# Altium PCB PCB_RF.PcbDoc (part 2 of 2) (continued)
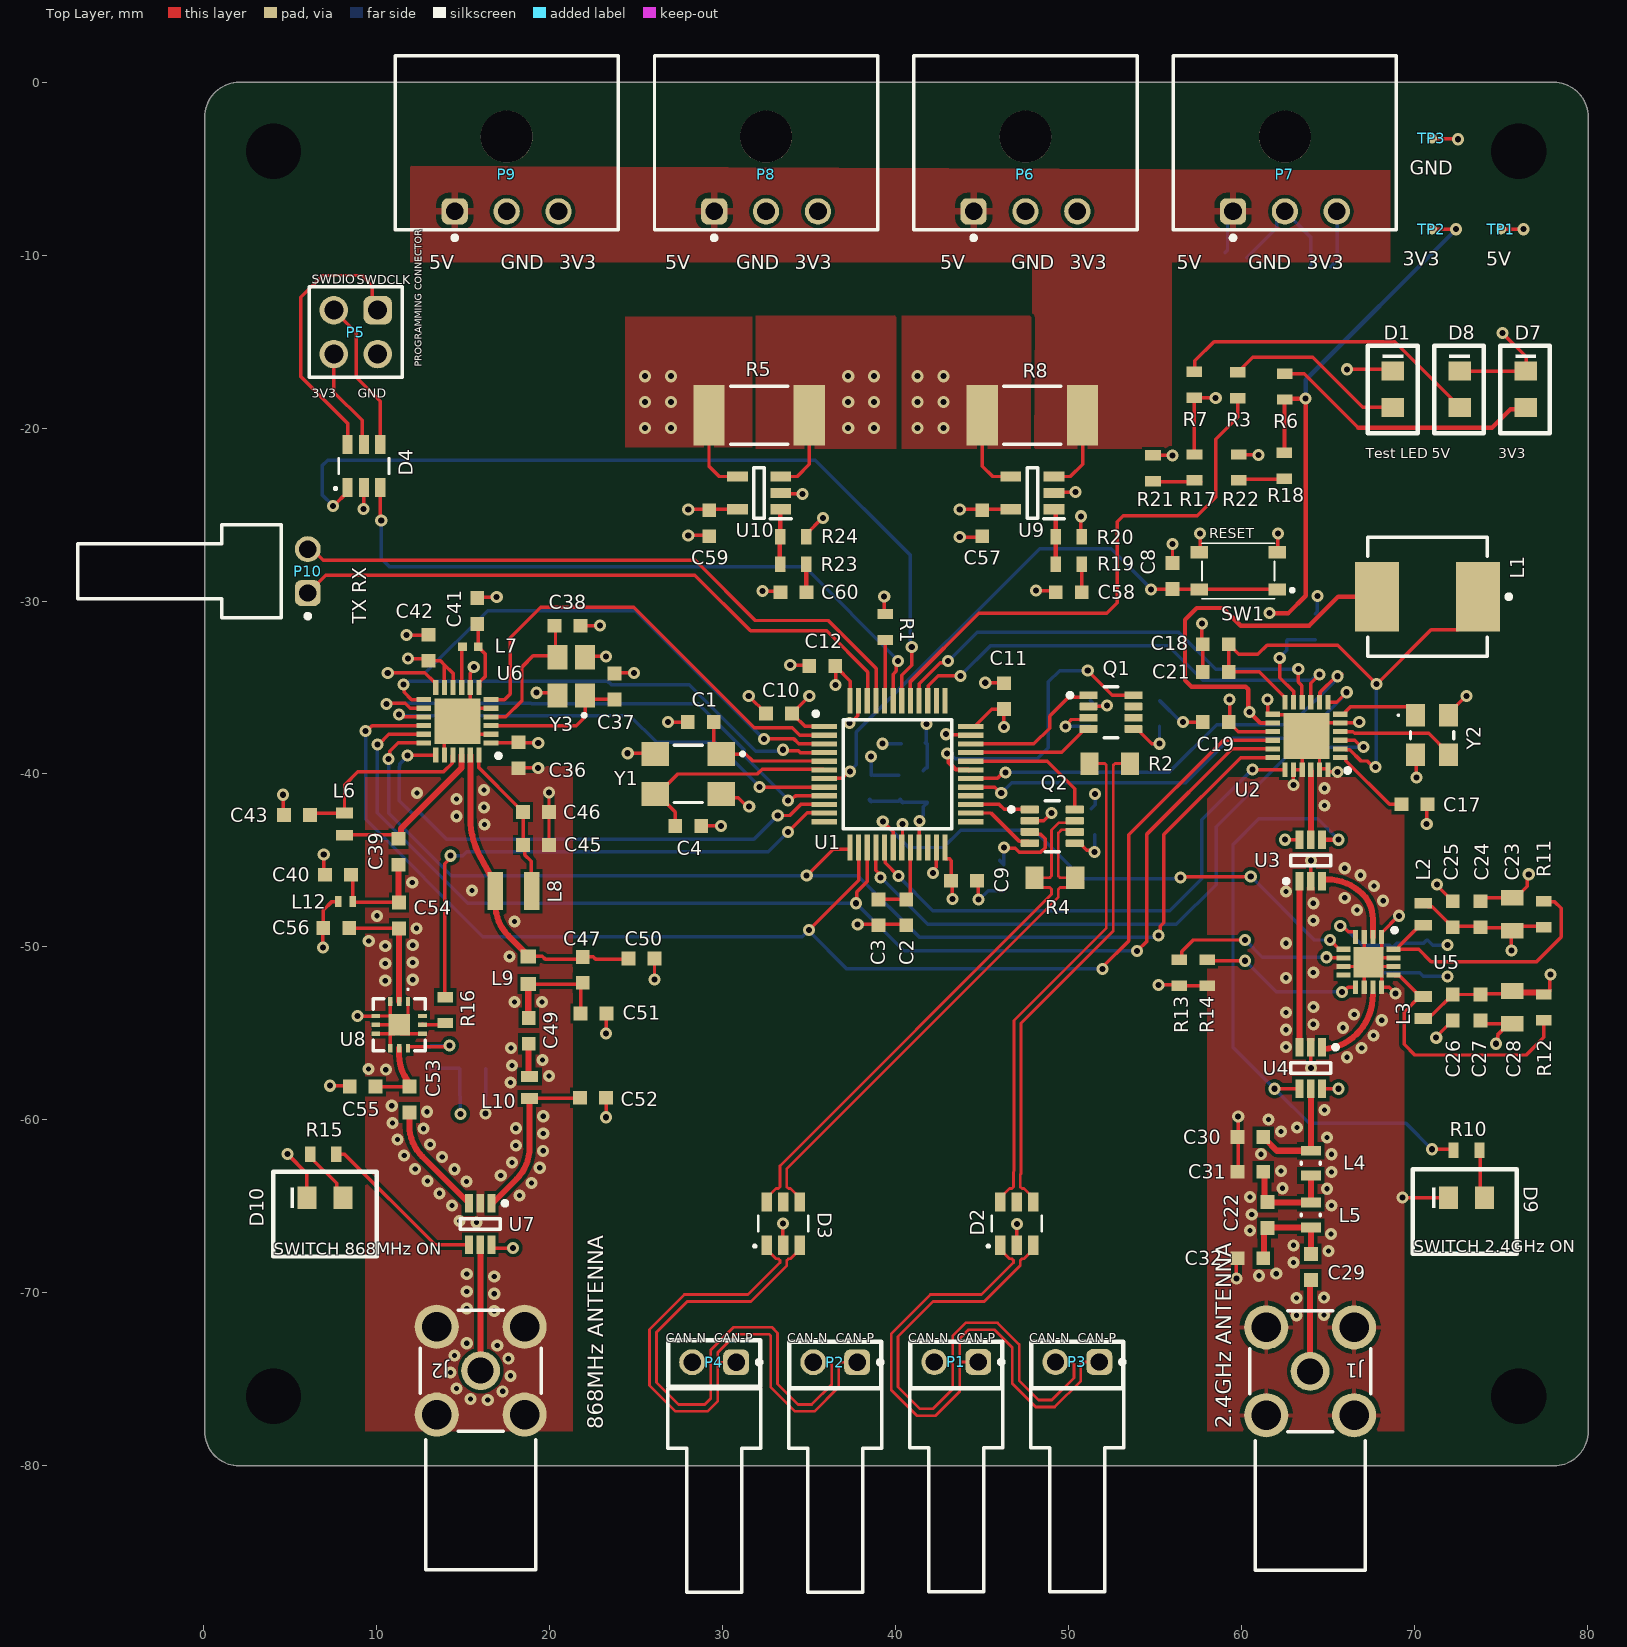
[diagram p0: Top Layer view]
## Nets (pads, with @x,y where several pads share a name; then routed paths per layer and width w, separated by ;. In a path a pad name is that pad's centre, name@x,y a point inside that pad or via, vN(x,y) a via of type N, cw(c..) or ccw(c..) an arc to the next point about the centre after c; other vN are vias at no path point) (continued)
MISO: U1.14 U2.16 U6.16 | length 79.9
  Top Layer w0.2: v1(9.35,-37.525) 9.392,-37.525 9.717,-37.2 U6.16@12.7,-37.2 ; v1(34.975,-49.025) 37.85,-46.15 U1.14@37.85,-44.35 ; v1(51.95,-51.275) 51.95,-51.183 53.477,-49.656 53.477,-43.523 58.95,-38.05 U2.16@61.8,-38.05
  Bottom Layer w0.2: v1(9.35,-37.525) 9.35,-42.625 16.125,-49.4 34.6,-49.4 v1(34.975,-49.025) 34.975,-49.075 37.175,-51.275 v1(51.95,-51.275)
MOSI: U1.15 U2.17 U6.17 | length 73.5
  Top Layer w0.2: v1(10.025,-38.3) 10.092,-38.3 10.692,-37.7 U6.17@12.7,-37.7 ; v1(37.7,-47.475) 37.741,-47.434 37.741,-46.825 38.35,-46.216 U1.15@38.35,-44.625 ; v1(53.95,-50.225) 53.964,-50.225 54.5,-49.689 54.5,-43.5 59.45,-38.55 U2.17@61.8,-38.55
  Bottom Layer w0.2: v1(10.025,-38.3) 10.025,-42.25 15.25,-47.475 v1(37.7,-47.475) 40.45,-50.225 v1(53.95,-50.225)
"Net D10_2": D10.2 R15.2 | length 3.3
  Top Layer w0.2: R15.2@6.15,-62 6.15,-62.15 7.667,-63.667 7.667,-64.117 D10.2@8.05,-64.5
NetC2_2: C2.2 C3.2 U1.20 | length 4.8
  Top Layer w0.2: C3.2@38.9,-47.2 38.95,-47.25 C2.2@40.604,-47.25 40.85,-47.004 U1.20@40.85,-44.251
NetC17_2: C17.2 U2.1 | length 4.8
  Top Layer w0.2: U2.1@65.7,-39 65.925,-39 66.025,-39.1 66.025,-39.225 68.55,-41.75 C17.2@69.25,-41.75
NetC18_2: C18.2 C21.2 L1.1 U2.2 U2.12 | length 30.9
  Top Layer w0.2: C21.2@59.25,-34.104 C18.2@59.25,-32.5 59.833,-33.083 60.935,-33.083 61.467,-32.55 65.55,-32.55 v1(67.8,-34.8) 70.95,-31.65 72.5,-31.65 73.675,-30.475 L1.1@73.675,-29.75 ; C21.2@59.5,-34.1 61.025,-34.1 62.5,-35.575 U2.12@62.5,-35.85 ; U2.2@66,-38.529 66,-38.575 66.025,-38.6 66.249,-38.6 66.899,-39.25 67.265,-39.25 67.615,-39.6 v1(67.75,-39.6)
  Bottom Layer w0.2: v1(67.75,-39.6) 67.775,-39.575 67.775,-34.825 v1(67.8,-34.8)
NetC22_1: C22.1 C31.2 L4.2 L5.1 | length 5.7
  Top Layer w0.243: C22.1@61.3,-64.7 C22.1@61.385,-64.785 ; L4.2@64,-63.378 64.078,-63.3 L4.2@64.1,-63.3
  Top Layer w0.35: C22.1@61.321,-64.571 C31.2@61.321,-63.1 ; C22.1@61.385,-64.785 L5.1@64,-64.785 L4.2@64,-63.378
NetC22_2: C22.2 C29.1 C32.2 L5.2 | length 5.8
  Top Layer w0.243: C22.2@61.3,-66.45 C22.2@61.5,-66.25
  Top Layer w0.35: C32.2@61.3,-68 C22.2@61.3,-66.45 ; C22.2@61.615,-66.215 L5.2@64,-66.215 C29.1@64,-67.75
NetC37_2: C37.2 U6.3 Y3.1 | length 8.6
  Top Layer w0.2: U6.3@16.6,-37.2 21.525,-37.2 22.034,-36.691 Y3.1@22.034,-35.456 Y3.1@22.225,-35.647 ; Y3.1@22.263,-35.685 C37.2@23.675,-35.685
NetC38_2: C38.2 U6.4 Y3.3 | length 8.2
  Top Layer w0.2: U6.4@16.575,-36.7 U6.4@16.6,-36.7 ; U6.4@16.65,-36.65 U6.4@16.6,-36.7 ; Y3.3@20.325,-33.147 C38.2@20.325,-31.425 ; Y3.3@20.4,-33.175 19.025,-33.175 18.387,-33.812 18.387,-35.762 17.45,-36.7 U6.4@16.6,-36.7
NetC39_1: C39.1 L6.2 U6.22 | length 9.6
  Top Layer w0.2: L6.2@8.125,-43.525 11.028,-43.525 C39.1@11.25,-43.747 C39.1@11.385,-43.612
  Top Layer w0.35: C39.1@11.385,-43.612 11.385,-43.165 14.9,-39.65 U6.22@14.9,-38.9
NetC41_2: C41.2 L7.1 U6.7 | length 4
  Top Layer w0.2: C41.2@15.725,-31.3 15.85,-31.425 L7.1@15.85,-32.65 ; L7.1@15.825,-32.8 16,-32.8 16.25,-33.05 16.25,-34.375 15.95,-34.675 15.95,-34.95 U6.7@15.9,-35
NetC43_2: C43.2 L6.1 U6.21 | length 10.9
  Top Layer w0.2: C43.2@6.15,-42.4 6.287,-42.262 L6.1@8.125,-42.262 8.125,-40.643 8.89,-39.878 13.851,-39.878 14.35,-39.379 14.35,-38.95 U6.21@14.4,-38.9
NetC47_2: C47.2 C49.1 C51.2 L9.2 | length 6.8
  Top Layer w0.2: L9.2@18.75,-52.15 C47.2@21.825,-52.15 ; C51.2@21.775,-53.85 C47.2@21.775,-52.2
  Top Layer w0.243: C49.1@18.75,-54.025 C49.1@18.8,-54.075 ; C47.2@21.775,-52.2 C47.2@21.9,-52.075
  Top Layer w0.35: C49.1@18.75,-54.025 L9.2@18.75,-52.15
NetC49_2: C49.2 L10.1 | length 1.8
  Top Layer w0.35: L10.1@18.775,-57.425 C49.2@18.775,-55.6
NetC53_1: C53.1 C55.2 U8.8 | length 4.4
  Top Layer w0.2: C55.2@9.85,-57.975 9.95,-58.075 C53.1@11.875,-58.075 ; U8.8@11.285,-55.86 U8.8@11.3,-55.875
  Top Layer w0.35: U8.8@11.285,-55.86 11.285,-56.274 ccw(c13.726,-56.274) C53.1@12,-58
NetC54_1: C54.1 C56.2 U8.2 | length 7
  Top Layer w0.2: C56.2@8.5,-48.825 8.6,-48.925 C54.1@11.275,-48.925
  Top Layer w0.35: U8.2@11.275,-53.14 C54.1@11.275,-48.925
NetD1_2: D1.2 R3.1 | length 10.5
  Top Layer w0.2: R3.1@59.775,-16.775 60.65,-15.9 64.1,-15.9 67,-18.8 D1.2@68.75,-18.8
NetD4_4: D4.4 P5.3 | length 8.8
  Top Layer w0.2: P5.3@7.62,-13.208 7.62,-13.295 8.81,-14.485 8.81,-17.064 10.2,-18.454 D4.4@10.2,-20.945
NetD4_6: D4.6 P5.1 | length 15.8
  Top Layer w0.2: D4.6@8.3,-20.945 8.3,-19.73 5.588,-17.018 5.588,-12.446 6.858,-11.176 9.144,-11.176 9.733,-11.765 9.733,-12.781 P5.1@9.906,-12.954
NetD7_2: D7.2 R6.1 | length 15.6
  Top Layer w0.2: R6.1@62.5,-16.85 63.625,-16.85 66.75,-19.975
  Top Layer w0.254: 66.75,-19.975 74.475,-19.975 75.543,-18.907 76.218,-18.907 D7.2@76.325,-18.8
NetD8_2: D8.2 R7.1 | length 18.3
  Top Layer w0.2: R7.1@57.1,-16.8 57.283,-16.617 57.283,-16.117 58.4,-15 68.85,-15 72.65,-18.8 D8.2@72.75,-18.8
NetD9_2: D9.2 R10.2 | length 3
  Top Layer w0.2: R10.2@73.8,-61.6 73.8,-64.25 D9.2@74.05,-64.5
NetL1_2: L1.2 U2.14 | length 22.8
  Top Layer w0.254: v1@60.375,-36.4 60.375,-35.099 60.226,-34.95 57.1,-34.95 56.725,-34.575 56.725,-31.075 57.4,-30.4 58.925,-30.4 59.95,-31.425 63.9,-31.425 65.575,-29.75 L1.2@67.825,-29.75 ; v1(60.45,-36.425) 61.075,-37.05 U2.14@61.8,-37.05
NetL2_1: L2.1 R11.1 U5.16 | length 15.3
  Top Layer w0.2: U5.16@68.789,-50.132 U5.16@68.9,-50.132 ; U5.16@68.9,-50.1 69.07,-50.1 69.089,-50.082 69.089,-49.975 70.312,-48.751 L2.1@70.5,-48.751 ; U5.16@69.089,-50.132 70.232,-50.132 70.95,-50.85 77.05,-50.85 78.475,-49.425 78.475,-47.775 78.1,-47.4 R11.1@77.6,-47.4
NetL3_1: L3.1 R12.1 U5.13 | length 15.1
  Top Layer w0.2: U5.13@68.8,-51.6 68.882,-51.682 69.132,-51.682 L3.1@70.312,-52.862 ; L3.1@70.5,-52.862 L3.1@70.312,-52.862 ; R12.1@77.467,-54.25 77.467,-55.233 76.45,-56.25 70.016,-56.25 69.4,-55.634 69.4,-53.775 L3.1@70.312,-52.862
NetL7_2: L7.2 U6.9 | length 2.4
  Top Layer w0.2: U6.9@14.9,-35 14.9,-32.7 L7.2@14.95,-32.65
NetL11_2: L11.2 U8.9 | length 3.7
  Top Layer w0.2: U8.9@11.795,-55.86 11.795,-55.805 11.82,-55.78 14.17,-55.78 v1@14.25,-55.7
  Bottom Layer w0.2: L11.2@13.05,-55.8 13.15,-55.7 v1(14.2,-55.7)
NetR13_2: R13.2 U5.6 | length 10.5
  Top Layer w0.2: R13.2@56.4,-50.6 56.483,-50.6 56.533,-50.55 56.533,-50.267 57.2,-49.6 v1(60.2,-49.6) ; v1(64.9,-50.6) 64.916,-50.616 65.873,-50.616 U5.6@65.889,-50.632
  Bottom Layer w0.2: v1(60.2,-49.6) 61.2,-50.6 v1(64.9,-50.6)
NetR14_2: R14.2 U5.9 | length 9.3
  Top Layer w0.2: R14.2@58.1,-50.8 v1(60.2,-50.8) ; v1(65.8,-52.6) 65.88,-52.6 66.148,-52.332 U5.9@66.589,-52.332
  Bottom Layer w0.2: v1(60.2,-50.8) 62,-52.6 v1(65.8,-52.6)
NetR16_1: R16.1 U8.11 | length 1.3
  Top Layer w0.2: U8.11@12.644,-54.501 R16.1@13.748,-54.501
  Top Layer w0.243: U8.11@12.64,-54.505 U8.11@12.644,-54.501 ; R16.1@13.748,-54.501 R16.1@13.9,-54.35
NetR19_2: R19.2 R20.2 U9.1 | length 3.2
  Top Layer w0.254: R19.2@49.25,-27.884 R20.2@49.25,-26.279 49.25,-24.75 U9.1@49.3,-24.7
NetR23_2: R23.2 R24.2 U10.1 | length 2.7
  Top Layer w0.254: R23.2@33.3,-27.5 33.3,-26.31 R24.2@33.33,-26.279 ; U10.1@33.35,-24.7 33.33,-24.72 33.33,-26.03 R24.2@33.4,-26.1
NetU2_4: U2.4 Y2.3 | length 6.7
  Top Layer w0.2: U2.4@65.9,-37.5 65.95,-37.55 66.431,-37.55 66.531,-37.65 70.813,-37.65 71.963,-38.8 Y2.3@71.963,-38.9
NetU2_6: U2.6 Y2.1 | length 4.7
  Top Layer w0.2: U2.6@65.8,-36.6 66.3,-36.1 69.612,-36.1 70.063,-36.55 Y2.1@70.063,-36.6
NetU3_1: U3.1 U4.3 | length 9.4
  Top Layer w0.35: U4.3@63.35,-55.8 U3.1@63.35,-46.449
NRST: C8.2 SW1.1 U1.7 | length 34
  Top Layer w0.2: U1.7@35.862,-40.263 35.868,-40.256 36.899,-40.256 37.306,-39.85 v1(37.35,-39.85) ; v1(54.75,-29.325) 55.975,-29.325 C8.2@56,-29.3 ; C8.2@56,-29 56.329,-29.329 SW1.1@57.4,-29.329 ; SW1.1@57.4,-29.3 57.429,-29.329 SW1.1@57.555,-29.329 SW1.1@62.055,-29.329
  Bottom Layer w0.2: v1(37.35,-39.85) 37.725,-39.475 37.725,-37.575 48.325,-26.975 52.45,-26.975 v1@54.789,-29.314
OSC_IN: C1.1 U1.5 Y1.1 | length 7.7
  Top Layer w0.2: C1.1@29.475,-36.926 29.475,-38.425 Y1.1@29.9,-38.85 31.325,-38.85 31.725,-39.25 U1.5@35.35,-39.25
OSC_OUT: C4.1 U1.6 Y1.3 | length 12.5
  Top Layer w0.2: Y1.3@26.1,-41.15 26.25,-41.15 26.25,-41.1 26.773,-40.577 26.823,-40.577 27.4,-40 32,-40 32.273,-39.727 35.16,-39.727 U1.6@35.8,-39.727 ; Y1.3@26.25,-41.2 27.25,-42.2 C4.1@27.25,-43
SCK: U1.13 U2.18 U6.18 | length 70.6
  Top Layer w0.2: v1(10.675,-39.125) 10.747,-39.053 10.747,-38.678 11.225,-38.2 U6.18@12.7,-38.2 ; v1(34.85,-45.875) 36.375,-44.35 U1.13@37.35,-44.35 ; v1(55.2,-49.35) 55.296,-49.254 55.296,-48.804 55.5,-48.6 55.5,-43.5 59.95,-39.05 U2.18@61.8,-39.05
  Bottom Layer w0.2: v1(10.675,-39.125) 10.675,-42.264 14.286,-45.875 37.8,-45.875 41.371,-49.446 55.104,-49.446 v1(55.2,-49.35)
SWCLK: D4.3 U1.43 | length 39.2
  Top Layer w0.2: D4.3@10.181,-23.159 10.181,-25.281 v1(10.25,-25.35) ; U1.43@39.85,-35.775 39.85,-34.225 40.029,-34.046 40.029,-33.571 v1(40.125,-33.475)
  Bottom Layer w0.2: v1(10.25,-25.35) 10.25,-27.55 10.725,-28.025 34.729,-28.025 40.125,-33.421 v1(40.125,-33.475)
SWDIO: D4.1 U1.42 | length 49
  Top Layer w0.2: v1(7.464,-24.494) 7.501,-24.494 8.3,-23.695 D4.1@8.3,-23.445 ; U1.42@40.35,-35.6 40.35,-34.291 40.925,-33.716 v1(40.925,-32.65)
  Bottom Layer w0.2: v1(7.464,-24.494) 6.825,-23.855 6.825,-22.175 7.15,-21.85 35.35,-21.85 40.85,-27.35 40.85,-32.575 v1(40.925,-32.65)
SX1262_ANTENNA: J2.1 U7.5 | length 7.3
  Top Layer w0.243: U7.5@15.975,-67.225 U7.5@15.987,-67.237 ; J2.1@15.987,-74.487 J2.1@16,-74.5
  Top Layer w0.35: J2.1@15.987,-74.487 U7.5@15.987,-67.237
SX1262_BUSY: U1.9 U6.14 | length 30.3
  Top Layer w0.2: v1(10.55,-35.95) 10.6,-35.9 11.634,-35.9 11.934,-36.2 U6.14@12.7,-36.2 ; v1(33.775,-41.525) 33.91,-41.525 34.156,-41.279 34.206,-41.279 34.222,-41.263 U1.9@35.862,-41.263
  Bottom Layer w0.2: v1(10.55,-35.95) 10.6,-35.9 18.906,-35.9 18.956,-35.95 28.575,-35.95 31.24,-38.615 31.24,-38.945 33.775,-41.481 v1(33.775,-41.525)
SX1262_CTRL: R15.1 U7.4 | length 9.8
  Top Layer w0.2: R15.1@7.65,-62 8.15,-62 13.375,-67.225 U7.4@15.325,-67.225
SX1262_DIO1: U1.4 U6.13 | length 27.9
  Top Layer w0.2: v1(11.525,-34.825) 11.585,-34.885 11.585,-35.285 12,-35.7 U6.13@12.7,-35.7 ; v1(33.475,-38.6) 33.527,-38.652 34.377,-38.652 34.488,-38.763 U1.4@35.762,-38.763
  Bottom Layer w0.2: v1(11.525,-34.825) 11.66,-34.825 11.835,-34.65 23.361,-34.65 23.561,-34.85 28.066,-34.85 31.911,-38.696 33.379,-38.696 v1(33.475,-38.6)
SX1262_DIO2: U1.3 U6.12 | length 33.2
  Top Layer w0.2: v1(10.625,-34.15) 12.775,-34.15 13.3,-34.675 13.35,-34.675 13.4,-34.725 U6.12@13.4,-35 ; v1(32.375,-37.975) 32.4,-37.95 34.084,-37.95 34.386,-38.252 U1.3@35.823,-38.252
  Bottom Layer w0.2: v1(10.625,-34.15) 12.8,-34.15 16.4,-30.55 24.95,-30.55 v1(32.375,-37.975)
SX1262_DIO3: U1.2 U6.6 | length 26.3
  Top Layer w0.2: U6.6@16.6,-35.7 17.375,-35.7 17.7,-35.375 17.7,-32.125 19.475,-30.35 24.85,-30.35 31.825,-37.325 34.025,-37.325 34.45,-37.75 U1.2@35.675,-37.75
SX1262_LNA_ENABLE: R16.2 U1.11 | length 30.9
  Top Layer w0.2: R16.2@13.925,-52.875 13.925,-45.185 14.25,-44.86 v1(14.25,-44.725) ; v1(33.775,-43.35) 34.875,-42.25 U1.11@35.825,-42.25
  Top Layer w0.243: R16.2@13.925,-52.875 R16.2@13.95,-52.9
  Bottom Layer w0.2: v1(14.25,-44.725) 14.971,-44.725 15.196,-44.5 32.625,-44.5 v1(33.775,-43.35)
SX1262_NSS: U1.10 U6.19 | length 30.8
  Top Layer w0.2: v1(11.777,-38.925) 13.375,-38.925 U6.19@13.4,-38.9 ; v1(33.175,-42.4) 33.869,-42.4 34.506,-41.763 U1.10@35.862,-41.763
  Bottom Layer w0.2: v1(11.777,-38.925) 11.777,-38.952 11.331,-39.398 11.331,-39.539 11.3,-39.571 11.3,-41.55 12.033,-42.283 12.532,-42.283 14.024,-43.775 31.8,-43.775 v1(33.175,-42.4)
SX1262_RESET: U1.8 U6.15 | length 27.8
  Top Layer w0.2: v1(11.275,-36.55) 11.41,-36.55 11.56,-36.7 U6.15@12.7,-36.7 ; v1@32.138,-40.763 U1.8@35.862,-40.763
  Bottom Layer w0.2: v1(11.275,-36.55) 11.35,-36.625 24.625,-36.625 26.175,-38.175 29.55,-38.175 v1(32.125,-40.75)
SX1262_RFI: C53.2 U7.3 | length 6.5
  Top Layer w0.35: C53.2@11.875,-59.575 11.875,-60.323 ccw(c14.415,-60.323) 12.619,-62.119 U7.3@15.25,-64.75
SX1262_RFI_Ampli: C39.2 C40.2 C54.2 L12.2 | length 6.5
  Top Layer w0.2: C40.2@8.5,-45.825 8.6,-45.925 L12.2@8.6,-47.375 ; L12.2@8.619,-47.356 8.687,-47.425 C54.2@11.275,-47.425
  Top Layer w0.35: C54.2@11.25,-47.425 C39.2@11.25,-45.247
SX1262_RFO: C52.2 L10.2 U7.1 | length 10
  Top Layer w0.2: U7.1@16.675,-64.825 U7.1@16.675,-64.475 ; L10.2@18.825,-58.762 C52.2@21.737,-58.762
  Top Layer w0.243: C52.2@21.737,-58.762 C52.2@21.75,-58.75
  Top Layer w0.35: U7.1@16.75,-64.75 18.081,-63.419 ccw(c16.285,-61.623) 18.825,-61.623 L10.2@18.825,-58.762
SX1262_RFO_PF: C47.1 C50.2 L8.1 L9.1 U6.23 | length 17.7
  Top Layer w0.2: L9.1@18.75,-50.55 19.57,-50.55 19.72,-50.7 21.7,-50.7 C47.1@21.85,-50.55 ; C47.1@21.9,-50.575 22.515,-50.575 22.64,-50.7 24.275,-50.7 C50.2@24.4,-50.575
  Top Layer w0.243: L8.1@16.85,-47.548 L8.1@16.85,-46.775
  Top Layer w0.254: 15.4,-42.521 15.4,-42.519 ; L8.1@16.527,-45.802 L8.1@16.8,-45.9
  Top Layer w0.35: 15.4,-42.521 ccw(c20.18,-42.52) 15.987,-44.814 L8.1@16.527,-45.802 ; 15.4,-42.519 U6.23@15.4,-38.9 ; L8.1@16.85,-47.548 ccw(c19.39,-47.548) 17.594,-49.344 ; 17.594,-49.344 L9.1@18.75,-50.5
SX1280_M_ANTENNA: C29.2 J1.1 | length 5
  Top Layer w0.243: J1.1@63.9,-74.2 J1.1@63.96,-74.14 ; C29.2@63.96,-69.29 C29.2@64,-69.25
  Top Layer w0.35: J1.1@63.96,-74.14 C29.2@63.96,-69.29
SX1280_M_ANTENNA_PF: C30.2 L4.1 U4.5 | length 6.5
  Top Layer w0.243: C30.2@61.2,-61.1 C30.2@61.35,-61.1
  Top Layer w0.35: C30.2@61.35,-61.1 62.035,-61.785 L4.1@64,-61.785 U4.5@64,-58.4
SX1280_M_BUSY: U1.29 U2.7 | length 25.6
  Top Layer w0.2: U1.29@44.338,-40.763 45.733,-40.763 46.07,-41.1 v1(46.1,-41.1) ; U2.7@65,-35.85 65.5,-35.85 v1(66.075,-35.275)
  Bottom Layer w0.2: v1(46.1,-41.1) 46.7,-40.5 56.775,-40.5 59.35,-37.925 63.475,-37.925 66.075,-35.325 v1(66.075,-35.275)
SX1280_M_CTRL_1: R10.1 U3.4 U4.4 | length 36.5
  Top Layer w0.2: v1@61.9,-58.3 62,-58.2 U4.4@63.35,-58.2 ; v1(71,-61.7) 72.2,-61.7 R10.1@72.25,-61.75
  Top Layer w0.243: U3.4@64.65,-43.8 v1(65.6,-43.8)
  Bottom Layer w0.2: v1@61.9,-58.3 62,-58.3 63.9,-60.2 69.5,-60.2 v1(71,-61.7) ; v1(61.9,-58.2) 59.5,-55.8 59.5,-51.2 59.5,-44.1 61,-42.6 64.4,-42.6 v1(65.6,-43.8)
SX1280_M_DIO1: U1.30 U2.8 | length 26.8
  Top Layer w0.2: U1.30@44.338,-40.263 44.353,-40.248 45.88,-40.248 46.215,-39.913 v1(46.35,-39.913) ; U2.8@64.5,-35.85 64.55,-35.8 64.55,-35.301 ; U2.8@64.523,-35.802 64.523,-35.29 65.463,-34.35 v1(65.55,-34.35) ; v1@65.555,-34.296 65.704,-34.296 v1@65.8,-34.2
  Top Layer w0.254: U2.8@64.5,-35.825 U2.8@64.523,-35.802
  Bottom Layer w0.2: v1(46.35,-39.913) 46.363,-39.9 55.8,-39.9 58.55,-37.15 62.85,-37.15 65.55,-34.45 v1(65.55,-34.35) ; v1@65.6,-34.4 v1@65.8,-34.2
SX1280_M_DIO2: U1.39 U2.9 | length 27.3
  Top Layer w0.2: U1.39@41.85,-35.775 41.881,-35.744 41.881,-34.894 42.45,-34.325 v1(43.75,-34.325) ; U2.9@64,-35.85 64,-34.75 v1(64.5,-34.25)
  Bottom Layer w0.2: v1@43.725,-34.325 45.475,-32.575 55.75,-32.575 57.75,-34.575 64.04,-34.575 64.365,-34.25 v1(64.5,-34.25)
SX1280_M_DIO3: U1.40 U2.10 | length 26.7
  Top Layer w0.2: U1.40@41.35,-35.775 41.35,-34.783 42.573,-33.56 v1@42.94,-33.56 ; v1(63.275,-33.925) 63.275,-34.682 63.477,-34.884 U2.10@63.477,-35.475
  Top Layer w0.254: v1@42.94,-33.56 v1(43.025,-33.475)
  Bottom Layer w0.2: v1(43.025,-33.475) 44.7,-31.8 56.35,-31.8 58.502,-33.952 v1@63.248,-33.952
  Bottom Layer w0.254: v1@63.248,-33.952 v1(63.275,-33.925)
SX1280_M_LNA_BYP_CTRL: U5.8
SX1280_M_LNA_ENABLE: U1.18 U5.5 | length 32.4
  Top Layer w0.2: v1(39.25,-42.75) 39.845,-43.345 39.845,-44.246 U1.18@39.85,-44.251 ; v1(56.475,-45.975) 56.5,-45.95 60.5,-45.95 v1(60.525,-45.925) ; v1(65.1,-49.6) 65.107,-49.6 65.639,-50.132 U5.5@65.889,-50.132
  Bottom Layer w0.2: v1(39.25,-42.75) 40.75,-44.25 42.75,-44.25 43.75,-43.25 48,-43.25 50.8,-46.05 56.4,-46.05 v1(56.475,-45.975) ; v1(60.525,-45.925) 64.2,-49.6 v1(65.1,-49.6)
SX1280_M_NRESET: U1.16 U2.3 | length 38.2
  Top Layer w0.2: U1.16@38.85,-44.7 38.85,-45.565 39.125,-45.84 v1(39.125,-45.975) ; U2.3@65.7,-38.05 66.531,-38.05 66.931,-38.45 v1(67.05,-38.45)
  Bottom Layer w0.2: v1(39.125,-45.975) 41.85,-48.7 56.225,-48.7 58.525,-46.4 58.525,-43.05 63.125,-38.45 v1(67.05,-38.45)
SX1280_M_NSS: U1.17 U2.19 | length 30.4
  Top Layer w0.2: U1.17@39.35,-44.4 39.381,-44.431 39.381,-45.131 v1(40.15,-45.9) ; v1(60.625,-39.75) U2.19@62.5,-39.75
  Bottom Layer w0.2: v1(40.15,-45.9) 42.15,-47.9 55.85,-47.9 57.7,-46.05 57.7,-42.65 v1@60.6,-39.75
SX1280_M_RFIO: U2.22 U3.5 | length 4
  Top Layer w0.35: U3.5@64,-43.8 U2.22@64,-39.8
SX1280_M_RFIO_Ampli: U4.1 U5.11 | length 5.2
  Top Layer w0.243: U4.1@64.6,-55.9 U4.1@64.754,-55.896 ; 67.589,-52.76 U5.11@67.589,-52.332
  Top Layer w0.35: U4.1@64.754,-55.896 ccw(c64.6,-53.017) 66.638,-55.056 ccw(c64.344,-52.761) 67.589,-52.761
SX1280_M_RFIO_PreAmpli: U3.3 U5.2 | length 5.3
  Top Layer w0.2: U3.3@64.6,-46.1 64.946,-46.1 64.948,-46.1
  Top Layer w0.35: 64.948,-46.1 cw(c64.948,-48.996) 66.997,-46.949 cw(c65.564,-48.38) 67.589,-48.38 U5.2@67.589,-49.432
SX1280_M_V_DIO: C20.2 R9.1 U2.11 | length 5.7
  Top Layer w0.2: v1(62.2,-33.3) 62.2,-34.425 63,-35.225 U2.11@63,-35.85
  Bottom Layer w0.2: v1(62.2,-33.3) 62.2,-33.25 62.6,-32.85 62.6,-32.296 R9.1@62.646,-32.25 C20.2@64.25,-32.25
TEST_LED1: R3.2 U1.41 | length 32.2
  Top Layer w0.2: U1.41@40.85,-35.775 40.85,-34.65 44.8,-30.7 52.2,-30.7 52.8,-30.1 52.8,-25.425 53.15,-25.075 57.425,-25.075 58.5,-24 58.5,-20.65 59.775,-19.375 R3.2@59.775,-18.275
UART_RX: P10.2 U1.45 | length 37.5
  Top Layer w0.2: P10.2@6,-27 6.242,-27 6.892,-27.65 28.4,-27.65 31.875,-31.125 36.1,-31.125 38.875,-33.9 U1.45@38.875,-35.65
UART_TX: P10.1 U1.46 | length 36.7
  Top Layer w0.2: P10.1@6,-29.54 7.04,-28.5 28.375,-28.5 31.6,-31.725 36,-31.725 38.379,-34.104 U1.46@38.379,-35.704
VDDA: C6.2 C7.2 FB1.2 U1.21 | length 6.2
  Top Layer w0.2: U1.21@41.35,-44.251 41.363,-44.238 41.363,-42.735 v1(41.376,-42.722)
  Bottom Layer w0.2: C6.2@38.575,-41.573 C7.2@40.179,-41.573 ; C7.2@40.398,-41.648 FB1.2@41.834,-41.648 41.584,-41.898 41.584,-42.379 41.376,-42.587 v1(41.376,-42.722)
  Bottom Layer w0.254: C6.2@38.5,-41.5 38.573,-41.573 C6.2@38.575,-41.573 ; C7.2@40.251,-41.501 C7.2@40.398,-41.648
VR_PA: C45.2 C46.2 L8.2 U6.24 | length 8.8
  Top Layer w0.2: U6.24@15.9,-38.9 15.9,-39.65 18.15,-41.9 C46.2@18.395,-42.145 ; C45.2@18.45,-44 C46.2@18.45,-42.2 ; C45.2@18.558,-44.208 18.558,-44.683 18.925,-45.05 L8.2@18.925,-46.777 ; L8.2@18.942,-46.967 L8.2@18.975,-47
pads on no net: D2.5 D3.5 P6.MH1 P7.MH1 P8.MH1 P9.MH1 U1.12 U1.22 U1.25 U1.28 U1.37 U1.38 U8.12

## Polygon pours and split planes (outlines as drawn)
5V_Current- on POWER "NONET_L03_P052" (solid, pour order 52): 1.499,-2.565 1.401,-78.362 ccw(c2.037,-78.363) 2.037,-78.999 77.663,-78.802 ccw(c77.661,-78.063) 78.4,-78.063 78.4,-2.199 ccw(c77.602,-2.199) 77.601,-1.401 2.565,-1.499 ccw(c2.567,-2.567)
3V3_Current- on POWER "POWER-No Net 1" (solid, pour order 31): 66.5,-54.25 64,-54.25 64,-29.8 42.75,-29.8 42.75,-21.6 31.8,-21.6 31.8,-16.2 12.2,-16.2 12.2,-14.4 1.524,-14.4 1.524,-25.8 26.2,-25.8 26.2,-23.8 29.25,-23.8 29.25,-31.75 8.75,-31.75 8.75,-40 9,-40.25 15,-40.25 15,-68.75 29.25,-68.75 29.25,-37.75 41.5,-37.75 41.5,-48.25 45.5,-48.25 45.5,-43.25 47.25,-43.25 47.25,-36 50.5,-36 50.5,-46 59.025,-46 59.025,-39.25 59.025,-59.75 66.5,-59.75
3V3_Current- on POWER "POWER-No Net" (solid, pour order 29): 66.511,-6.799 13.8,-6.799 13.8,-11.658 40.4,-11.658 40.4,-13.274 50,-13.274 50,-21.199 56.008,-21.199 56.037,-17.501 61.2,-17.501 66.511,-17.501 66.511,-12 66.511,-8.8
3V3_Current+ on POWER "POWER-3V3_Current+" (solid, pour order 28): 7.2,-2 7.3,-2.1 7.3,-14.5 12.25,-14.5 12.25,-15.295 12.25,-16.25 32.1,-16.25 32.1,-21.365 40,-21.365 40,-11.857 13.68,-11.857 13.68,-6.53 19.925,-6.53 19.925,-8.521 22.931,-8.521 22.931,-6.541 33.432,-6.556 33.432,-8.521 36.35,-8.521 36.35,-6.55 49.475,-6.55 49.475,-8.521 52.5,-8.521 52.5,-6.55 52.509,-6.541 63.25,-6.541 63.25,-8.521 66.525,-8.521 66.525,-2
5V_Current+ on Top Layer "Top Layer-5V_Current+" (solid, pour order 62): 47.9,-21.2 55.964,-21.2 55.964,-10.414 68.58,-10.414 68.58,-5.08 11.938,-4.826 11.938,-10.414 47.9,-10.414
GND on Top Layer "GND_L01_P060" (solid, pour order 60): 9.325,-78 21.325,-78 21.325,-39.425 21.204,-39.546 9.325,-39.546
GND on Top Layer "NONET_L01_P058" (solid, pour order 58): 58,-77.992 69.4,-77.992 69.4,-40.2 58,-40.2
3V3_Current- on Top Layer "NONET_L01_P023" (solid, pour order 23): 31.8,-21.1 24.35,-21.1 24.35,-13.55 31.848,-13.55
5V_Current- on Top Layer "NONET_L01_P022" (solid, pour order 22): 47.8,-21.2 40.35,-21.2 40.35,-13.5 47.849,-13.5
3V3_Current+ on Top Layer "NONET_L01_P017" (solid, pour order 17): 31.9,-21.2 40.019,-21.2 40.019,-13.488 31.9,-13.513
GND on GND "NONET_L02_P003" (solid, pour order 3): 77.718,-79 2.038,-79 cw(c2.038,-78.466) 1.504,-78.466 1.504,-2.561 cw(c2.57,-2.561) 2.569,-1.495 77.601,-1.401 cw(c77.602,-2.199) 78.4,-2.199 78.4,-78.318 cw(c77.718,-78.318)

## Silkscreen, mask and mechanical layers (free items; w line width, h text height)
Top Overlay:
  lines w0.254: 4,-67.9 10,-67.9 10,-63 4,-63 4,-67.9 ; 26.837,-75.438 32.163,-75.438 32.163,-72.743 26.837,-72.743 26.837,-75.438 ; 33.837,-75.525 39.163,-75.525 39.163,-72.83 33.837,-72.83 33.837,-75.525 ; 40.837,-75.525 46.163,-75.525 46.163,-72.83 40.837,-72.83 40.837,-75.525 ; 47.837,-75.525 53.163,-75.525 53.163,-72.83 47.837,-72.83 47.837,-75.525 ; 67.3,-20.3 70.175,-20.3 70.175,-15.25 67.3,-15.25 67.3,-20.3 ; 69.9,-67.75 75.9,-67.75 75.9,-62.85 69.9,-62.85 69.9,-67.75 ; 71.125,-20.3 74,-20.3 74,-15.25 71.125,-15.25 71.125,-20.3 ; 74.95,-20.3 77.825,-20.3 77.825,-15.25 74.95,-15.25 74.95,-20.3
  text "GND" at 69.734,-5.35 h0.8
  text "3V3" at 69.312,-10.6 h0.8
  text "5V" at 74.134,-10.6 h0.8
  text "5V" at 13.034,-10.825 h0.8
  text "GND" at 17.159,-10.825 h0.8
  text "3V3" at 20.538,-10.825 h0.8
  text "5V" at 26.659,-10.825 h0.8
  text "GND" at 30.784,-10.825 h0.8
  text "3V3" at 34.162,-10.825 h0.8
  text "5V" at 42.559,-10.825 h0.8
  text "GND" at 46.684,-10.825 h0.8
  text "3V3" at 50.062,-10.825 h0.8
  text "5V" at 56.259,-10.825 h0.8
  text "GND" at 60.384,-10.825 h0.8
  text "3V3" at 63.762,-10.825 h0.8
  text "SWDIO" at 6.227,-11.834 h0.9
  text "SWDCLK" at 8.845,-11.846 h0.9
  text "PROGRAMMING CONNECTOR" at 12.728,-16.456 h0.7 r90
  text "3V3" at 6.24,-18.43 h0.9
  text "GND" at 8.878,-18.43 h0.9
  text "Test LED" at 67.177,-21.937 h1
  text "5V" at 71.002,-21.937 h1
  text "3V3" at 74.827,-21.938 h1
  text "RESET" at 58.122,-26.572 h1
  text "TX RX" at 9.384,-31.3 h0.8 r90
  text "SWITCH 2.4GHz ON" at 69.941,-67.889 h1.2
  text "SWITCH 868MHz ON" at 4.041,-68.039 h1.2
  text "CAN-N  CAN-P" at 26.712,-73.039 h0.9
  text "CAN-N  CAN-P" at 33.713,-73.039 h0.9
  text "CAN-N  CAN-P" at 40.712,-73.039 h0.9
  text "CAN-N  CAN-P" at 47.709,-73.039 h0.9
  text "2.4GHz ANTENNA" at 59.673,-77.826 h1.5 r90
  text "868MHz ANTENNA" at 23.373,-77.876 h1.5 r90
Bottom Overlay:
  lines w0.254: 32.075,-62.275 47.575,-62.275 47.575,-58.275 32.075,-58.275 32.075,-62.275
  text "LEEM AVIONICS RF BOARD V1" at 47.881,-62.315 h0.8
Mechanical 13:
  lines w0.1: 0,-78 0,-2 ; 0.011,-77.992 ccw(c2.011,-77.992) 2.011,-79.992 ; 0.011,-1.992 cw(c2.011,-1.992) 2.011,0.008 ; 2,-80 78,-80 ; 2,0 78,0 ; 78.011,-79.992 ccw(c78.011,-77.992) 80.011,-77.992 ; 78.011,0.008 cw(c78.011,-1.992) 80.011,-1.992 ; 80,-78 80,-2 80,-1.75